# Altium PCB PCB_3U_BNC.PCBDOC (part 1 of 2) (continued)
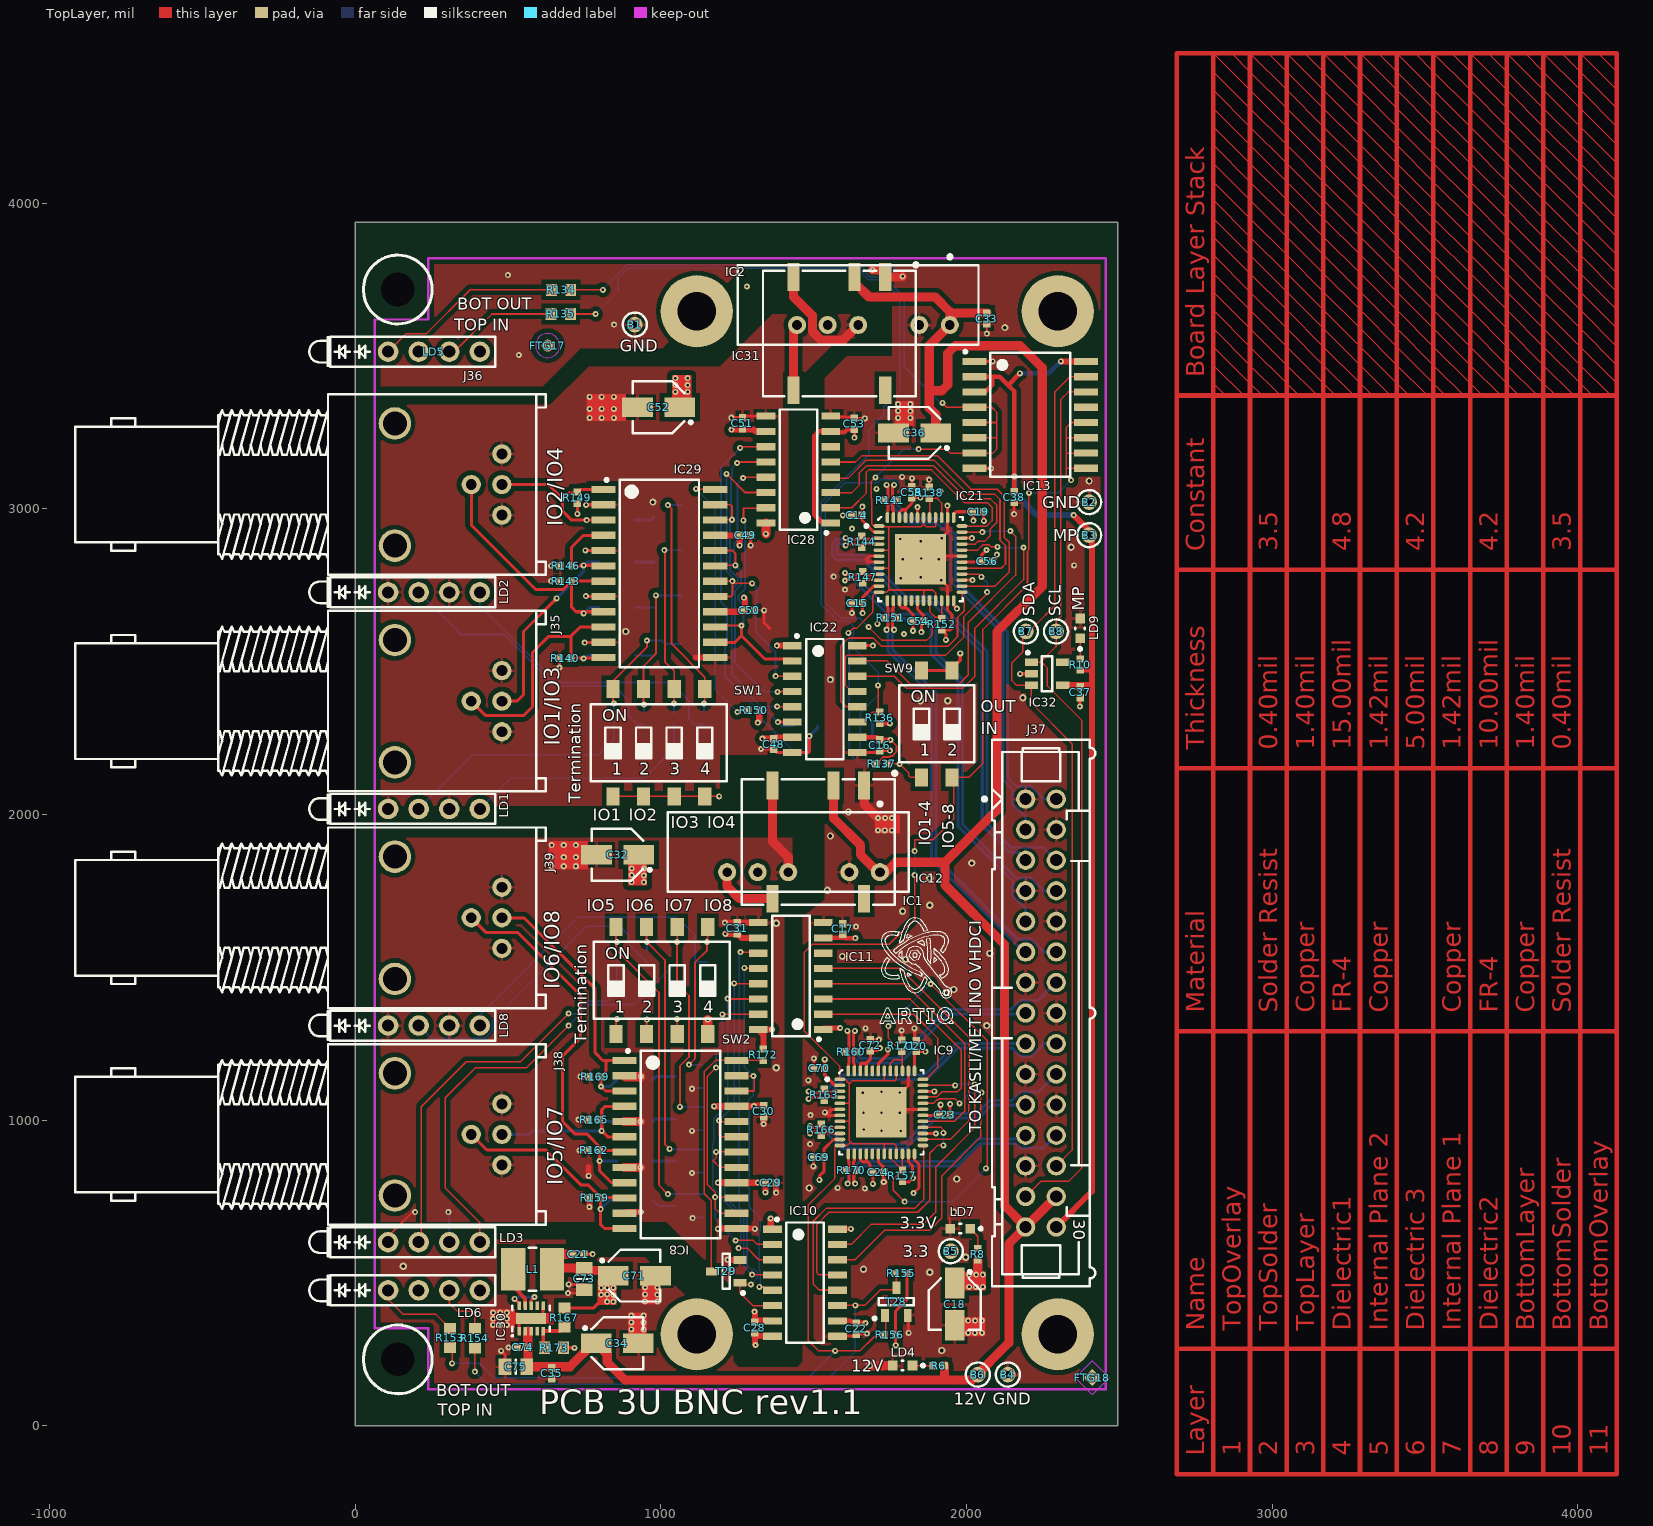
[diagram p0: TopLayer view]
## Components (designator, comment, footprint, x,y, rotation, side; value= is the part's Value field where it differs from the comment) (continued)
R151 "100" RESC1005X40N 1752,2643 r0 top
R152 "10k" RESC1005X40N 1920,2622 r270 top
R153 "220" RESC1608X55N 311,287 r270 top
R154 "220" RESC1608X55N 392,286 r270 top
R155 "10k" RESC1005X40N 1787,498 r0 top
R156 "10k" RESC1005X40N 1749,298 r0 top
R157 "100" RESC1005X40N 1791,818 r270 top
R158 "49R9" RESC3225X70N 915.35,738.19 r180 bottom
R159 "10k" RESC1005X40N 785,746 r0 top
R160 "100" RESC1005X40N 1623,1223 r180 top
R161 "49R9" RESC3225X70N 915.35,866.14 r180 bottom
R162 "10k" RESC1005X40N 782,901 r0 top
R163 "100" RESC1005X40N 1535,1083 r270 top
R164 "49R9" RESC3225X70N 915.35,995 r180 bottom
R165 "10k" RESC1005X40N 782,1001 r0 top
R166 "100" RESC1005X40N 1526,968 r270 top
R167 "270k" RESC1608X55N 685,354 r90 top
R168 "49R9" RESC3225X70N 915.35,1131.89 r180 bottom
R169 "10k" RESC1005X40N 786.22,1141.73 r0 top
R170 "100" RESC1005X40N 1624,835 r0 top
R171 "10k" RESC1005X40N 1788,1243 r90 top
R172 "10k" RESC1005X40N 1336,1214 r90 top
R173 "82k" RESC1608X55N 651,255 r180 top
SW1 "Switch" SW_OMRON_A6S-4102-H 994.09,2234.25 r90 top
SW2 "Switch" SW_OMRON_A6S-4102-H 1003.94,1456.69 r90 top
SW9 "Switch" SW_OMRON_A6S-2102-H 1903,2296 r90 top
T1 "BSS138LT1G" SOT95P240X110-3N 1023.62,2519.68 r180 bottom
T2 "BSS138LT1G" SOT95P240X110-3N 1023.62,2677.17 r180 bottom
T3 "BSS138LT1G" SOT95P240X110-3N 1023.62,2824.8 r180 bottom
T4 "BSS138LT1G" SOT95P240X110-3N 1023.62,2972.44 r180 bottom
T5 "BSS138LT1G" SOT95P240X110-3N 1092.52,718.5 r180 bottom
T6 "BSS138LT1G" SOT95P240X110-3N 1092.52,866.14 r180 bottom
T7 "BSS138LT1G" SOT95P240X110-3N 1092.52,1003.94 r180 bottom
T8 "BSS138LT1G" SOT95P240X110-3N 1092.52,1141.73 r180 bottom
T26 "BSS138LT1G" SOT95P240X110-3N 1653.54,2252 r270 bottom
T27 "BSS138LT1G" SOT95P240X110-3N 1475.98,2244.09 r270 bottom
T28 "BSS138LT1G" SOT95P240X110-3N 1771,406 r90 top
T29 "BSS138LT1G" SOT95P240X110-3N 1214,505 r180 top

## Footprints (in the part's own frame and the unit in brackets; to place one, negate y for a bottom-side part, rotate by r counter-clockwise, add the part's x,y. Pads: shape width x height; smd on the part's side, far side on the other; paste and mask are expansions set on the pad)
3M_N2530-6002RB [mm] "30 Contacts - Straight .100\" x .100\" Low Profile Four-Wall Header"
  round 1.6 hole 1: 1(-17.78,-1.27) 2(-17.78,1.27) 3(-15.24,-1.27) 4(-15.24,1.27) 5(-12.7,-1.27) 6(-12.7,1.27) 7(-10.16,-1.27) 8(-10.16,1.27) 9(-7.62,-1.27) 10(-7.62,1.27) 11(-5.08,-1.27) 12(-5.08,1.27) 13(-2.54,-1.27) 14(-2.54,1.27) 15(0,-1.27) 16(0,1.27) 17(2.54,-1.27) 18(2.54,1.27) 19(5.08,-1.27) 20(5.08,1.27) 21(7.62,-1.27) 22(7.62,1.27) 23(10.16,-1.27) 24(10.16,1.27) 25(12.7,-1.27) 26(12.7,1.27) 27(15.24,-1.27) 28(15.24,1.27) 29(17.78,-1.27) 30(17.78,1.27)
  silkscreen extent -22.71,-4.85 22.71,4.52, body extent -22.71,-4.11 22.71,4.52, height 9.91
BOMAR_364A2595 [mm] "Dual Right Angle 50 Ohm BNC Jack, White Valox Case"
  round 1.6 hole 0.9: 1(-6.2,2.54) 2(-6.2,0) 3(-6.2,-2.54) 4(-3.66,0)
  round 2.7 hole 2: 6(2.69,-5.08) 7(2.69,5.08)
  silkscreen extent -9.85,-7.5 29.25,7.5, body extent -9.85,-7.5 29.25,7.5, height 29.3
c130h60 [mm] "Plated Through Hole: Hole Dia.=0.6mm Pad Dia.=1.30mm"
  round 1.3 hole 0.6: 1(0,0)
  silkscreen extent -1,-1 1,1
CAPAE430X540N [mm] "Capacitor, Aluminium Electrolytric, 4.3mm L X 4.3mm W X 5.4mm H, IPC Medium Density"
  rect 2.55x1.6 smd: 1(-1.75,0) 2(1.75,0)
  silkscreen extent -2.8,-2.15 2.15,2.15, body extent -2.75,-2.25 2.75,2.25, height 5.7
CAPC1005X55N [mm] "Chip Capacitor, Body 1.0x0.55mm, IPC Medium Density"
  rect 0.62x0.62 smd: 1(-0.45,0) 2(0.45,0)
  body extent -0.52,-0.27 0.53,0.28, height 0.55
CAPC2012X135N [mm] "Chip Capacitor, Body 2.0x1.25mm, IPC Medium Density"
  rect 1.05x1.4 smd: 1(-0.9,0) 2(0.9,0)
  silkscreen extent 0,-0.58 0,0.58, body extent -1.05,-0.67 1.05,0.68, height 1.25
DCDC_MURATA_NXE2 [mm] "NXE2 Series, Body 12.7 x 10.4, Height 4.4mm"
  rect 1x2.3 smd: 1(-3.81,-4.7) 3(-1.27,-4.7) 7(3.81,-4.7) 8(3.81,4.7) 14(-3.81,4.7)
  silkscreen extent -6.5,-5.86 6.35,5.21, body extent -6.35,-5.21 6.35,5.21, height 4.41
DCDC_TRACO_TMA [mm] "TMA Series , Body 19.5x6.1mm, SIP-6, Unregulated"
  round 1.5 hole 0.8: 1(-7.62,0) 2(-5.08,0) 4(0,0) 5(2.54,0) 6(5.08,0)
  silkscreen extent -10,-5.82 10,1.63, body extent -10,-4.97 10,1.73, height 10.45
FIDUCIAL_TOP_C100-200 [mm] "Round Fiducial Target, Top Layer, 1.0mm, Top Solder 2.0mm, Keepout =2.0mm"
  round 1 smd paste-0.51 mask+0.5: FTG2(0,0)
  TopLayer keep-out circle w0.1: c0,0 r1
FIDUCIAL_TOP_S100-200 [mm] "Square Fiducial Target, Top Layer, 1.0mm, Top Solder 2.0mm, Keepout =2.0mm"
  rect 1x1 smd rot 45 paste-0.51 mask+0.5: 1(0,0)
  TopLayer keep-out region: 1.414,0 0,-1.414 -1.414,0 0,1.414
FIDUCIAL_TOP_S200-400 [mm] "Square Fiducial Target, Top Layer, 2.0mm, Top Solder 4.0mm, Keepout =4.0mm"
  rect 2x2 smd rot 45 paste-0.9 mask+1: 1(0,0)
  TopLayer keep-out region: -2.839,0.011 -0.011,2.839 2.818,0.011 -0.011,-2.818
IND_MURATA-PS_8400 [mm] "Miniature Surface Mount Power Inductors, 4.5mm L X 3.3mm W X 2.9mm H, MURATA 8400 Serie"
  rect 2x3.5 smd: 1(-1.6,0) 2(1.6,0)
  silkscreen extent -0.3,-1.8 0.3,1.8, body extent -2.4,-1.8 2.4,1.8, height 2.9
LED_DIALIGHT_571-0112F [mm] "2x 2mm LED (Top: Red, Bot: Green) PCB Edge Mounting (Without positioning pins) DIALIGHT 571 Serie"
  round 1.7 hole 1: 1(0,0) 2(2.54,0) 3(5.08,0) 4(7.62,0)
  silkscreen extent -6.55,-1.24 8.89,1.24, body extent -6.55,-1.24 8.89,1.24, height 8.61
LED_DIALIGHT_571-0122F [mm] "2x 2mm LED (Top: Green, Bot: Green) PCB Edge Mounting (Without positioning pins) DIALIGHT 571 Serie"
  round 1.7 hole 1: 1(0,0) 2(2.54,0) 3(5.08,0) 4(7.62,0)
  silkscreen extent -6.55,-1.24 8.89,1.24, body extent -6.55,-1.24 8.89,1.24, height 8.61
LED_KINGBRIGHT_KPH-1608CGCK [mm] "SMT Green LED, Case 0603, Body L 1.6 x W 0.8mm H 0.65mm"
  rect 0.8x0.8 smd: 1(0.825,0) 2(-0.825,0)
  silkscreen extent -1.83,-0.4 0.08,0.4, body extent -0.8,-0.4 0.8,0.4, height 0.65
QFN50P700X700X100-49N-S420 [mm] "QFN, 0.50mm Pitch, Square; 48 Pin, 7.00mm L X 7.00mm W X 1mm H body (W/Thermal Tab 4.2mm X 4.2mm), IPC Medium Density"
  oval 0.9x0.3 smd: 1(-3.45,2.75) 2(-3.45,2.25) 3(-3.45,1.75) 4(-3.45,1.25) 5(-3.45,0.75) 6(-3.45,0.25) 7(-3.45,-0.25) 8(-3.45,-0.75) 9(-3.45,-1.25) 10(-3.45,-1.75) 11(-3.45,-2.25) 12(-3.45,-2.75) 25(3.45,-2.75) 26(3.45,-2.25) 27(3.45,-1.75) 28(3.45,-1.25) 29(3.45,-0.75) 30(3.45,-0.25) 31(3.45,0.25) 32(3.45,0.75) 33(3.45,1.25) 34(3.45,1.75) 35(3.45,2.25) 36(3.45,2.75)
  oval 0.3x0.9 smd: 13(-2.75,-3.45) 14(-2.25,-3.45) 15(-1.75,-3.45) 16(-1.25,-3.45) 17(-0.75,-3.45) 18(-0.25,-3.45) 19(0.25,-3.45) 20(0.75,-3.45) 21(1.25,-3.45) 22(1.75,-3.45) 23(2.25,-3.45) 24(2.75,-3.45) 37(2.75,3.45) 38(2.25,3.45) 39(1.75,3.45) 40(1.25,3.45) 41(0.75,3.45) 42(0.25,3.45) 43(-0.25,3.45) 44(-0.75,3.45) 45(-1.25,3.45) 46(-1.75,3.45) 47(-2.25,3.45) 48(-2.75,3.45)
  rect 4.2x4.2 smd: 49(0,0)
  silkscreen extent -4.62,-3.5 3.5,3.5, body extent -3.5,-3.5 3.5,3.5, height 1
RESC1005X40N [mm] "Chip Resistor, EIA 0402, Metric 1005, Body 1.0x0.5mm, IPC Medium Density"
  rect 0.58x0.62 smd: 1(-0.47,0) 2(0.47,0)
  body extent -0.52,-0.27 0.53,0.28, height 0.4
RESC1608X55N [mm] "Chip Resistor, EIA 0603, Metric 1608, Body 1.6x0.8mm, IPC Medium Density"
  rect 0.9x1 smd: 1(-0.8,0) 2(0.8,0)
  body extent -0.87,-0.47 0.88,0.48, height 0.55
RESC3225X70N [mm] "Chip Resistor, EIA 1210, Metric 3225, Body 3.2x2.5mm, IPC Medium Density"
  rect 1.15x2.7 smd: 1(-1.5,0) 2(1.5,0)
  silkscreen extent -0.55,-1.25 0.55,1.25, body extent -1.7,-1.35 1.7,1.35, height 0.7
SOIC127P600X175-16N [mm] "SOIC 16, Pitch 1.27mm - Body 4x10mm, IPC Medium Density"
  rect 1.55x0.6 smd: 1(-2.7,4.445) 2(-2.7,3.175) 3(-2.7,1.905) 4(-2.7,0.635) 5(-2.7,-0.635) 6(-2.7,-1.905) 7(-2.7,-3.175) 8(-2.7,-4.445) 9(2.7,-4.445) 10(2.7,-3.175) 11(2.7,-1.905) 12(2.7,-0.635) 13(2.7,0.635) 14(2.7,1.905) 15(2.7,3.175) 16(2.7,4.445)
  silkscreen extent -2.45,-5 1.55,5.37, body extent -3.1,-5 3.1,5, height 1.75
SOIC127P1030X265-16N [mm] "SOIC 16, Pitch 1.27mm - Body 7.5x10.3mm, IPC Medium Density"
  rect 2x0.6 smd: 1(-4.65,4.445) 2(-4.65,3.175) 3(-4.65,1.905) 4(-4.65,0.635) 5(-4.65,-0.635) 6(-4.65,-1.905) 7(-4.65,-3.175) 8(-4.65,-4.445) 9(4.65,-4.445) 10(4.65,-3.175) 11(4.65,-1.905) 12(4.65,-0.635) 13(4.65,0.635) 14(4.65,1.905) 15(4.65,3.175) 16(4.65,4.445)
  silkscreen extent -5.52,-5.15 3.32,5.37, body extent -5.18,-5.25 5.18,5.25, height 1.68
SOIC127P1030X265-24N [mm] "SOIC 24, Pitch 1.27mm - Body 7.6x15.6mm, IPC Medium Density"
  rect 2x0.6 smd: 1(-4.65,6.985) 2(-4.65,5.715) 3(-4.65,4.445) 4(-4.65,3.175) 5(-4.65,1.905) 6(-4.65,0.635) 7(-4.65,-0.635) 8(-4.65,-1.905) 9(-4.65,-3.175) 10(-4.65,-4.445) 11(-4.65,-5.715) 12(-4.65,-6.985) 13(4.65,-6.985) 14(4.65,-5.715) 15(4.65,-4.445) 16(4.65,-3.175) 17(4.65,-1.905) 18(4.65,-0.635) 19(4.65,0.635) 20(4.65,1.905) 21(4.65,3.175) 22(4.65,4.445) 23(4.65,5.715) 24(4.65,6.985)
  silkscreen extent -4.5,-7.8 3.3,7.9, body extent -5.18,-7.8 5.18,7.8, height 1.68
SON50P200X300X80-11N-R94X250 [mm] "SON, 10-Leads, Body 2x3mm, Pitch 0.5mm, Thermal Pad 0.94x2.5mm, IPC Medium Density"
  rect 0.7x0.3 smd: 1(-1.05,1) 2(-1.05,0.5) 3(-1.05,0) 4(-1.05,-0.5) 5(-1.05,-1) 6(1.05,-1) 7(1.05,-0.5) 8(1.05,0) 9(1.05,0.5) 10(1.05,1)
  rect 0.94x2.5 smd: 11(0,0)
  silkscreen extent -1.5,-1.55 1.05,1.6, body extent -1.05,-1.55 1.05,1.55, height 0.8
SOT95P240X110-3N [mm] "SOT23 3-Leads, Pitch 0.95mm, Body 1.3x2.9mm, IPC Medium Density"
  rect 1.05x0.65 smd: 1(-1.15,0.95) 2(-1.15,-0.95) 3(1.15,0)
  silkscreen extent -1.53,-1.45 0.3,1.92, body extent -1.25,-1.5 1.25,1.5, height 1.1
SOT95P280X145-5N [mm] "SOT, 0.95mm pitch; 5 pin, 1.60mm W X 2.90mm L X 1.45mm H body, IPC Medium Density"
  rect 1.1x0.6 smd: 1(-1.3,0.95) 2(-1.3,0) 3(-1.3,-0.95) 4(1.3,-0.95) 5(1.3,0.95)
  silkscreen extent -1.72,-1.45 0.43,1.87, body extent -1.4,-1.5 1.4,1.5, height 1.45
SW_OMRON_A6S-2102-H [mm] "Pitch 2.54mm, Body 6.2x6.4mm, 2 Ways SPST Surface-Mounting DIP Switch, OMRON A6S-H"
  rect 1.5x1.1 smd: 1(-4.45,1.27) 2(-4.45,-1.27) 3(4.45,-1.27) 4(4.45,1.27)
  silkscreen extent -3.2,-3.11 3.2,3.11, body extent -4.9,-3.01 4.9,3.01, height 3.97
SW_OMRON_A6S-4102-H [mm] "Pitch 2.54mm, Body 11.3x6.4mm, 4 Ways SPST Surface-Mounting DIP Switch, OMRON A6S-H"
  rect 1.5x1.1 smd: 1(-4.45,3.81) 2(-4.45,1.27) 3(-4.45,-1.27) 4(-4.45,-3.81) 5(4.45,-3.81) 6(4.45,-1.27) 7(4.45,1.27) 8(4.45,3.81)
  silkscreen extent -3.2,-5.65 3.2,5.65, body extent -4.9,-5.55 4.9,5.55, height 3.97

## Part data
B1 B2 B3 B4 B5 B6 B7 B8: library part PLATED_HOLE0.6_PAD1.3, "Single Terminal Socket"
C14 C15 C16 C17 C19 C20 C21 C22 C23 C24 C28 C29 C30 C31 C33 C35 C37 C38 C48 C49 C50 C51 C53 C54 C55 C56 C69 C70 C72 C74: library part CC0402_100NF_16V_10%_X5R, "Non-polarised capacitor"
C18 C32 C34 C36 C52 C71: library part CAE430-540_10UF_16V_20%, "Polarised capacitor"
C73 C75: library part CC0805_22UF_16V_10%_X5R, "Non-polarised capacitor"
FTG17: library part FIDUCIAL_TARGET_C100-200, "Fiducial Target"
FTG18 FTG20: library part FIDUCIAL_TARGET_S100-200, "Fiducial Target"
FTG19: library part FIDUCIAL_TARGET_S200-400, "Fiducial Target"
IC1 IC2: "MURATA, NXE2 Serie, Dual Output DCDC Converter"
IC8 IC29: "25 Ohms Octal Bus Transceiver With 3-State Outputs"
IC9 IC21: "4-Channel Half-Duplex M-LVDS Line Transceiver"
IC10 IC11 IC22 IC28: "Low Power Five-Channel Digital Isolator"
IC12 IC31: "1 W Watt, 10.8-13.2VDCVin, 5 V@0.2 A"
IC13: "Remote 8-bit I/O Expander For I2C Bus"
IC30: "4.75-28VDC to 1-6VDC, 500mA Step-Down Converter With Sleep Mode"
IC32: "1.7V-5.5V, 2K I2C Serial EEPROM With EUI-48 Node Identity"
J35 J36 J38 J39: library part BOMAR_364A2595, "Dual Right Angle 50 Ohm BNC Jack, White Valox Case"
J37: library part 3M_N2530-6002RB, "Connector 30 Male"
L1: library part IND_10UH_10%_MURATA-PS_8400, "Inductor With Core"
LD1 LD2 LD3 LD8: library part LED_DIALIGHT_571-0122F, "LED x2 Green 1C2A-BOT_3C4A-TOP"
LD4 LD7 LD9: library part LED_KINGBRIGHT_KPH-1608CGCK, "LED Green 1C 2A"
LD5 LD6: library part LED_DIALIGHT_571-0112F, "2x LED  Botom Green, Top Red"
R1 R2 R3 R4 R5 R7 R8 R9 R10 R11: library part R0402_510R_1%_0.0625W_100PPM, "Resistor - 1%"
R6 R136 R137 R140 R143 R146 R149 R150 R152 R155 R156 R159 R162 R165 R169 R171 R172: library part R0402_10K_1%_0.0625W_100PPM, "Resistor - 1%"
R134 R135 R153 R154: library part R0603_220R_1%_0.1W_100PPM, "Resistor - 1%"
R138 R141 R144 R147 R151 R157 R160 R163 R166 R170: library part R0402_100R_1%_0.1W_100PPM, "Resistor - 1%"
R139 R142 R145 R148 R158 R161 R164 R168: library part R1210_49R9_1%_0.5W_100PPM_VISHAY_CRCW, "Resistor - 1%"
R167: library part R0603_270K_1%_0.1W_100PPM, "Resistor - 1%"
R173: library part R0603_82K_1%_0.1W_100PPM, "Resistor - 1%"
SW1 SW2: library part SW_OMRON_A6S-4102-H, "4 Ways SPST DIP Switch"
SW9: library part SW_OMRON_A6S-2102-H, "2 Ways SPST DIP Switch"
T1 T2 T3 T4 T5 T6 T7 T8 T26 T27 T28 T29: "N-CHANNEL MOSFET WITH DIODE"

## Free pads (board coordinates)
  round 236.22 hole 125.98: 0(2299.21,299.21) 1(2299.21,3645.67) 2(1118.11,3645.67) 3(1118.11,299.21)
  round 50 hole 110: 1(140,3717) 2(140,217)

## Via types
v1: diameter 19.68, hole 7.87, TopLayer to BottomLayer, tented both sides, 294 vias
v2: diameter 19.68, hole 7.87, TopLayer to BottomLayer, 62 vias
v3: diameter 23.62, hole 11.81, TopLayer to BottomLayer, 17 vias
v4: diameter 23.62, hole 11.81, TopLayer to BottomLayer, tented both sides, 15 vias

## Nets (pads, with @x,y where several pads share a name; then routed paths per layer and width w, separated by ;. In a path a pad name is that pad's centre, name@x,y a point inside that pad or via, vN(x,y) a via of type N, cw(c..) or ccw(c..) an arc to the next point about the centre after c; other vN are vias at no path point)
DIR1_RD: IC28.6
DIR2_RD: IC11.6
DIR_CTRL1: IC13.4 IC13.5 IC13.6 IC13.7 IC21.1 IC21.5 IC21.8 IC21.12 IC21.19 IC21.21 IC21.40 IC21.42 R134.2 R137.1 SW9.1 T26.1 | length 4340.1
  TopLayer w5: R134.2@705.5,3716 v2(811,3716) ; v2(1614.17,2594) 1628.44,2608.27 1640.27,2608.27 1693,2661 1693,2714 1705.73,2726.73 IC21.12@1714.17,2726.73 1738.73,2726.73 1746,2734 ; v2(1702.76,3102.76) 1688.66,3088.66 1688.66,3033.34 1690,3032 1690,2951 1695,2946 1711.44,2946 IC21.1@1714.17,2943.27 1716.44,2941 1749,2941 ; IC21.8@1714.17,2805.47 1745.47,2805.47 1746,2806 ; IC21.5@1714.17,2864.53 1744.47,2864.53 1746,2863 ; R137.1@1740.94,2165.35 v2(1781.5,2165.35) 1811.02,2135.83 1811.02,2126.58 1816.8,2120.8 SW9.1@1853,2120.8 ; v1(1844,3195) 1934,3195 1947,3182 IC13.7@2025.93,3182 2087,3182 2100,3195 2100,3231 ; IC21.19@1859.84,2699.17 1859.84,2732.16 1858,2734 ; IC21.42@1859.84,2970.83 1859.84,2948.84 ; IC21.40@1897,2968.61 IC21.40@1899.21,2970.83 1899.21,2943.21 1897,2941 1867.69,2941 1859.84,2948.84 ; IC21.21@1899.21,2699.17 1899.21,2724.79 1890,2734 1858,2734 ; v2(1922,3346) 1936,3332 IC13.4@2025.93,3332 2083,3332 2100,3315 2100,3283 ; IC13.6@2025.93,3232 2099,3232 2100,3231 ; IC13.5@2025.93,3282 2099,3282 2100,3283 ; 1746,2734 1858,2734 ; 1746,2734 1746,2806 ; 1746,2806 1746,2863 ; 1746,2863 1746,2938 1749,2941 ; 1749,2941 1852,2941 1859.84,2948.84 ; 2100,3231 2100,3283
  BottomLayer w5: v2(811,3716) 811,3718.84 890.78,3798.62 1644.35,3798.62 1645.26,3799.53 1653.54,3799.53 1659.4,3793.67 1659.4,3790.27 1670.41,3779.25 1670.41,3771.96 1683.59,3758.78 1730.17,3758.78 1797.06,3691.89 1797.06,3464.39 1915.45,3346 v2(1922,3346) ; v2(1614.17,2594) 1616.14,2592.03 T26.1@1616.14,2297.28 1616.14,2200.05 1637.64,2178.56 1640.34,2178.56 1653.54,2165.35 v2(1781.5,2165.35) ; v2(1702.76,3102.76) 1795,3195 v1(1844,3195)
DIR_CTRL2: IC9.1 IC9.5 IC9.8 IC9.12 IC9.19 IC9.21 IC9.40 IC9.42 IC13.9 IC13.10 IC13.11 IC13.12 R153.2 R156.1 SW9.2 T28.1 | length 6246.7
  TopLayer w5: v1(318,204) 318,254 R153.2@319,255 ; IC9.8@1586.17,995.47 1616.53,995.47 1617,995 ; IC9.5@1586.17,1054.53 1615.47,1054.53 1617,1053 ; IC9.19@1731.84,889.17 1731.84,921.84 1732,922 ; IC9.42@1731.84,1160.83 1731.84,1129.84 1730,1128 ; T28.1@1736.6,353.72 1736.6,305.1 1724.5,293 1700,293 1652,245 v1(1571,245) 1516,245 1483,278 1483,722 1570,809 1570,910 1576.73,916.73 IC9.12@1586.17,916.73 1610.73,916.73 1622,928 ; IC9.21@1771.21,889.17 1771.21,914.79 1764,922 1732,922 ; IC9.40@1771.21,1160.83 1771.21,1133.21 1766,1128 1730,1128 ; v2(1830.71,1801.18) 1830.71,1657.57 1747.94,1574.8 1496.87,1574.8 1470,1547.94 1470,1291 1586.17,1174.83 IC9.1@1586.17,1133.27 1602.73,1133.27 1617,1119 ; v2(1830.71,1879.92) 1830.71,1917 1891,1917 1959,1985 SW9.2@1959,2120.8 ; SW9.2@1953,2120.8 SW9.2@1959,2120.8 ; v1(2205,3052) 2204.34,3051.34 2204.34,2865.82 2200,2861.47 2200,2751 2054,2605 2054,2167 2007.8,2120.8 SW9.2@1959,2120.8 ; v1(2342.52,3093.48) 2327,3109 2327,3134 ; IC13.9@2392.07,3132 2329,3132 2327,3134 ; IC13.10@2392.07,3182 2328,3182 2327,3183 ; IC13.11@2392.07,3232 2330,3232 2327,3229 ; IC13.12@2392.07,3282 2343,3282 2327,3266 2327,3229 ; 1617,995 1617,933 1622,928 ; 1617,995 1617,1053 ; 1617,1053 1617,1119 ; 1617,1119 1626,1128 1730,1128 ; 1622,928 1628,922 1732,922 ; 2327,3134 2327,3183 ; 2327,3183 2327,3229
  BottomLayer w5: v1(318,204) 408,204 455,157 1483,157 v1(1571,245) ; v2(1830.71,1801.18) v2(1830.71,1879.92) ; v1(2205,3052) 2301.04,3052 v1(2342.52,3093.48)
GND: B1.1 B2.1 B4.1 C14.1 C15.1 C16.1 C17.1 C18.2 C19.1 C20.1 C21.1 C22.1 C23.1 C24.1 C33.1 C34.2 C35.1 C36.2 C37.1 C38.1 C53.1 C54.1 C55.1 C56.1 C69.1 C70.1 C71.2 C72.1 C73.1 C74.1 C75.1 IC1.1 IC2.1 IC9.6 IC9.7 IC9.18 IC9.23 IC9.27 IC9.31 IC9.34 IC9.38 IC9.43 IC9.49 IC10.9 IC11.8 IC12.2 IC13.1 IC13.8 IC21.6 IC21.7 IC21.18 IC21.23 IC21.27 IC21.31 IC21.34 IC21.38 IC21.43 IC21.49 IC22.9 IC28.8 IC30.1 IC30.6 IC30.11 IC31.2 IC32.2 J37.1 J37.4 J37.7 J37.10 J37.13 J37.16 J37.19 J37.22 J37.25 LD4.1 LD7.1 LD9.1 R138.2 R152.2 R157.2 R171.2 R173.1 SW9.3 SW9.4 T26.2 T28.2 | length 3846.4
  TopLayer w6: LD7.1@1945.87,639.76 1945.87,686.02 v4(1958.66,698.82) ; v2(2066.93,3572.83) C33.1@2066.93,3604.33
  TopLayer w10: v1(478,245) 490.57,232.43 C75.1@490.57,193 ; v1(502,256) C74.1@530.28,256 ; IC30.1@536.63,309.66 536.63,343.63 IC30.11@538,345 ; IC30.6@615.37,392.34 615.37,357.63 IC30.11@617,356 ; R173.1@682.5,255 v1(718,255) ; v1(696.69,434) C73.1@749.25,434 ; v1(698.82,462.6) 748.65,462.6 C73.1@749.69,461.57 ; C21.1@748.03,561.02 781.31,561.02 v1(777.56,561.02) ; v1(1499.28,848.28) C69.1@1499.28,878 ; C70.1@1501.28,1169 v1(1501.28,1201.28) ; 1547.16,1015.16 IC9.7@1586.17,1015.16 ; 1550,1025 1559.84,1034.84 IC9.6@1586.17,1034.84 ; IC28.8@1553.16,3299.56 1629.57,3299.56 C53.1@1633.86,3295.28 v1(1667.57,3295.28) ; IC10.9@1560.3,294 1633.72,294 C22.1@1639,299.28 1640.72,301 v1(1675,301) ; v1(1596,2978) C14.1@1624.28,2978 ; v1(1625.28,2658.72) C15.1@1625.28,2691 ; v1@1636.72,1630.72 v1(1639,1633) ; IC22.9@1643.3,2202 1709.72,2202 C16.1@1716,2208.28 v1(1749.72,2208.28) ; C72.1@1686,1262.72 v1(1714.28,1262.72) ; IC9.18@1712.16,889.17 1712.16,862.84 1729.72,845.28 C24.1@1729.72,829 v1(1729.72,797.28) ; IC9.43@1712.16,1160.83 1712.16,1184.16 1743,1215 v1(1743,1231) ; IC21.7@1714.17,2825.16 1680.84,2825.16 1672,2834 1682.84,2844.84 IC21.6@1714.17,2844.84 ; IC9.49@1722,1025 IC9.49@1731.84,1034.84 ; R157.2@1788,797 1812,797 v1(1825,810) 1824.16,810.84 1824.16,848.84 1810.58,862.42 IC9.23@1810.58,889.17 ; R171.2@1788,1261.5 v1(1788,1293) ; IC9.38@1810.58,1160.83 1810.58,1113.58 IC9.49@1731.84,1034.84 ; v1(1811.4,303.6) T28.2@1811.4,353.72 ; C55.1@1822,3071.72 v1(1822,3099) ; v1(1830,1300) 1830,1265.72 C20.1@1836,1259.72 ; IC21.18@1840.16,2699.17 1840.16,2670.84 1860.72,2650.28 C54.1@1860.72,2632 1853,2624.28 v1(1853,2596) ; IC21.43@1840.16,2970.83 v1(1840.16,3005.16) ; IC31.2@1843.28,3598.28 IC31.2@1846,3601 ; SW9.4@1853,2471.2 SW9.3@1953,2471.2 ; IC9.27@1857.83,956.1 v1(1899.9,956.1) ; IC9.31@1857.83,1034.84 IC9.49@1731.84,1034.84 ; IC9.34@1857.83,1093.9 v1(1895.1,1093.9) ; R138.2@1878,3070.5 v1(1878,3095) ; v1(1933,2571) 1933,2590.5 R152.2@1920,2603.5 1947.5,2603.5 1953,2609 1953,2654 1938.58,2668.42 IC21.23@1938.58,2699.17 1938.58,2746.42 IC21.49@1850,2835 v1(1852,2837) IC21.49@1859.84,2844.84 ; v1(1938,3010) 1938,2971.41 IC21.38@1938.58,2970.83 1938.58,2931.77 1942.68,2927.68 IC21.49@1859.84,2844.84 ; C23.1@1946.72,1017 v1(1946.72,1052.28) ; SW9.3@1967,2491 1980,2504 v1(1980,2527) ; IC21.27@1985.83,2766.1 v1(2020.1,2766.1) ; IC21.31@1985.83,2844.84 IC21.49@1859.84,2844.84 ; IC21.34@1985.83,2903.9 v1(2017.9,2903.9) ; IC13.8@2025.93,3132 v1(2081,3132) ; IC13.1@2025.93,3482 v1(2086,3482) ; C19.1@2056.72,2990 2056.72,2960.28 v1(2057,2960) ; C56.1@2085.72,2828 2085.72,2830.72 2100,2845 v1(2100,2850) ; v1(2156,2982) C38.1@2156,3020.28 ; v1(2176,2460) IC32.2@2212.82,2460 ; v1(2371,2353) C37.1@2371,2389.82
  TopLayer w30: IC1.1@1665.75,2094.49 1665.75,2033.25 v1(1711,1988) ; v4(1683.07,196.85) LD4.1@1758.86,196.85 ; v2(1692.91,3781.28) 1720.69,3781.28 1734.65,3767.32 IC2.1@1734.65,3757.87 1789.37,3757.87 v2(1791.34,3759.84)
  BottomLayer w10: T26.2@1690.94,2297.28 1692.91,2295.31 1692.91,2217.59 1702.22,2208.28 v1(1749.72,2208.28)
  BottomLayer w30: v2(1692.91,3781.28) 1752.89,3781.28 1754.65,3779.53
  other v1: 2006,304 2028,304 2051,304 904,315 944,315 452,330 474,330 497,330 944,337 904,338 2006,344 2029,344 2051,344 452,350 475,350 497,350 904,360 944,360 452,370 475,370 497,370 949,407 989,407 989,429 949,430 949,452 989,452 1668,776 1579,778 1489,921 1785,964 1722.44,964.57 1664,969 1490,1016 1663.39,1023.62 1722.44,1023.62 1781.5,1023.62 1537,1025 1661,1089 1782,1090 1722.44,1092.52 1483,1130 1670,1300 1711,1948 1733,1948 1756,1948 1734,1988 1756,1988 1796,2590 1709,2623 1603,2735 1918,2766 1786,2772 1850.39,2775.59 1566,2778 1791.34,2834.65 1909.45,2834.65 1850.39,2893.7 1784,2901 1920,2904 1626,2935 1706,3065 1790,3104 1776.94,3297.11 1816.94,3297.11 1816.94,3319.11 1776.94,3320.11 1776.94,3342.11 1816.94,3342.11 536,3503 848,3602 1282,3727 500,3764
  other v2: 2352.36,2814.96
  other v3: 157.48,521.65 1791.34,1683.07 1879.92,1702.76 2017.72,1840.55 1555.12,1929.13 1614.17,2007.87 1850.39,2372.05 1938.98,2372.05 2185.04,2381.89 1555.12,2440.94 2342.52,2874.02 2401.57,3090.55 2125.98,3592.52
  other v4: 1919.29,246.06 1879.92,501.97 1663.39,511.81 1998.03,551.18 1486.22,777.56 1968.5,807.09 2066.93,1309.06 1958.66,1427.17 1801.18,1525.59 1594.49,1535.43 2076.77,1545.28 1545.28,1751.97 1879.92,1791.34
GND_ISO1: C48.1 C49.1 C50.1 C51.1 C52.2 IC2.7 IC22.8 IC28.9 IC29.2 IC29.5 IC29.8 IC29.11 IC29.13 IC31.4 J35.1 J35.3 J36.1 J36.3 LD1.1 LD1.3 LD2.1 LD2.3 R140.1 R143.1 R146.1 R149.1 T1.2 T2.2 T3.2 T4.2 T27.2 | length 1281.8
  TopLayer w10: v1(641.36,2762.89) R143.1@670.86,2762.89 ; v1(641.86,2812.89) R146.1@671.35,2812.89 ; v1(668.86,2480.39) R140.1@668.86,2510.89 ; v1(727.36,2983.39) R149.1@727.36,3016.89 ; v1(751.36,2561.89) 752.36,2562.89 IC29.11@812.29,2562.89 ; v1(753.36,2863.89) 754.36,2862.89 IC29.5@812.29,2862.89 ; v1(755.36,2713.89) 756.36,2712.89 IC29.8@812.29,2712.89 ; v1(756.36,3012.89) IC29.2@812.29,3012.89 ; v1(1230.86,3297.55) C51.1@1267.57,3297.55 1272.86,3302.83 IC28.9@1344.28,3302.83 ; v1(1294.08,2880.17) C49.1@1294.08,2912.89 ; v1(1328,2214) 1368.28,2214 C48.1@1370,2212.28 1380.28,2202 IC22.8@1430.7,2202 1483.09,2202 1486.22,2205.13 v2(1486.22,2255.91) ; v2(1338.58,2667.32) 1338.58,2625.98 1356.3,2608.27
  TopLayer w20: 1113.36,2512.89 IC29.13@1178.43,2512.89
  TopLayer w30: IC2.7@1434.65,3757.87 1434.65,3693.31 1496.47,3631.48 1496.47,3580.49 1525.48,3551.47 1596.47,3551.47 IC31.4@1646,3601
  BottomLayer w10: v2(1486.22,2255.91) 1513.38,2283.06 T27.2@1513.38,2289.37
  other v1: 767.72,3297.24 807.09,3297.24 846.46,3297.24 767.72,3326.77 807.09,3326.77 846.46,3326.77 767.72,3366.14 807.09,3366.14 846.46,3366.14
  other v3: 885.83,2598.43 974.41,3021.65
GND_ISO2: C28.1 C29.1 C30.1 C31.1 C32.2 IC1.7 IC8.2 IC8.5 IC8.8 IC8.11 IC8.13 IC10.8 IC11.9 IC12.4 J38.1 J38.3 J39.1 J39.3 LD3.1 LD3.3 LD8.1 LD8.3 R159.1 R162.1 R165.1 R169.1 T5.2 T6.2 T7.2 T8.2 T29.2 | length 1456.5
  TopLayer w6: LD3.1@108.27,600.39 108.27,620.08 187.01,698.82 v2(196.85,698.82)
  TopLayer w20: v1(731,1001) R165.1@763.5,1001 ; v1(735,901) R162.1@763.5,901 ; v1(737.22,1141.73) R169.1@767.72,1141.73 ; v1(764.28,817.28) 764.28,846 ; v1(766.5,715.5) R159.1@766.5,746 ; IC8.11@881.93,695 885.75,698.82 v1(935.08,698.82) ; v1(1187,644) 1188,645 IC8.13@1248.07,645 1307,645 v1(1308,644) ; v1(1210,1646) IC11.9@1319.7,1646 ; v1(1219,543) 1219.6,542.4 T29.2@1259.28,542.4 ; C28.1@1308,303.28 C28.1@1308,294 ; v1(1310,264) 1308,266 C28.1@1308,294 ; v1(1337,987) C30.1@1337,1011.28 ; IC10.8@1347.7,294 C28.1@1308,294 ; v1(1377.72,762.28) C29.1@1377.72,795
  TopLayer w30: IC8.8@881.93,845 v2(933.58,845) ; IC8.5@881.93,995 v2(934.13,995) ; IC8.2@885.2,1141.73 v2(935.04,1141.73) ; IC1.7@1365.75,2094.49 1365.75,1911.81 1417.32,1860.24 IC12.4@1417.32,1811.02
  BottomLayer w6: v2(305.12,698.82) 308.27,695.67 LD3.3@308.27,600.39 ; v2(1102.36,826.77) 1104.33,828.74 T6.2@1137.8,828.74 ; v2(1102.36,964.57) 1104.33,966.54 T7.2@1137.8,966.54 ; v2(1102.36,1102.36) 1104.33,1104.33 T8.2@1137.8,1104.33 ; v2(1104.33,679.13) 1106.3,681.1 T5.2@1137.8,681.1
  other v1: 643.46,1830.28 682.83,1830.28 722.2,1830.28 643.46,1859.8 682.83,1859.8 722.2,1859.8 643.46,1899.17 682.83,1899.17 722.2,1899.17
  other v3: 1377.95,1171.26 1377.95,1643.7
I2C_SCL: B8.1 IC13.14 IC32.1 J37.27 | length 2946.1
  TopLayer w5: J37.27@2194,750 2243,799 2334,799 2378,843 2378,2307 2265,2420 2265,2479 2246.6,2497.4 2241.5,2497.4 ; IC32.1@2212.82,2497.4 2241.5,2497.4 ; IC13.14@2392.07,3382 2334,3382 2309,3357 2309,2647.64 2293.31,2631.94 B8.1@2293.31,2598.43 2293.31,2549.21 2241.5,2497.4
I2C_SDA: B7.1 IC13.15 IC32.3 J37.26 | length 2845.3
  TopLayer w5: J37.26@2294,850 2346,902 2346,2230.77 2212.82,2363.95 IC32.3@2212.82,2422.6 2164.4,2422.6 2149,2438 2149,2496 2185,2532 2185,2578.7 2224.41,2618.11 2289,2682.7 2289,3382 2339,3432 IC13.15@2392.07,3432
IO1: IC29.10 IC29.12 J35.4 R139.2 R140.2 | length 879.8
  TopLayer w10: J35.4@380.31,2370.32 427.8,2322.83 551.18,2322.83 580.71,2352.36 580.71,2529.53 633.57,2582.39 705.87,2582.39 ; IC29.12@785.29,2510.89 R140.2@705.87,2510.89 705.87,2582.39 ; IC29.10@812.29,2612.89 736.36,2612.89 705.87,2582.39
  BottomLayer w10: v2(748.03,2509.84) 757.87,2519.68 R139.2@797.24,2519.68
IO2: IC29.7 IC29.9 J36.4 R142.2 R143.2 | length 916
  TopLayer w10: J36.4@380.31,3078.98 380.31,2946.46 590.55,2736.22 681.95,2736.22 707.87,2762.13 R143.2@707.87,2762.89 ; IC29.9@812.29,2662.89 722.94,2662.89 708.66,2677.17 708.66,2762.09 R143.2@707.87,2762.89 ; IC29.7@812.29,2762.89 R143.2@707.87,2762.89
  BottomLayer w10: v2(748.03,2657.48) 767.72,2677.17 R142.2@797.24,2677.17
IO3: IC29.4 IC29.6 J35.2 R145.2 R146.2 | length 924.4
  TopLayer w10: J35.2@480.31,2370.32 529.77,2370.32 551.18,2391.73 551.18,2598.43 v2(659.45,2706.69) ; IC29.6@812.29,2812.89 810.22,2814.96 v2(748.03,2814.96) 745.96,2812.89 R146.2@708.36,2812.89 708.36,2873.72 747.54,2912.89 IC29.4@812.29,2912.89
  BottomLayer w10: v2(659.45,2706.69) 748.03,2795.28 v2(748.03,2814.96) 757.87,2824.8 R145.2@797.24,2824.8
IO4: IC29.1 IC29.3 J36.2 R148.2 R149.2 | length 588.9
  TopLayer w10: J36.2@480.31,3078.98 631.65,3078.98 679.13,3031.5 ; IC29.3@812.29,2962.89 758.17,2962.89 v2(757.87,2962.6) 708.66,2962.6 679.13,2992.13 679.13,3031.5 ; IC29.1@812.29,3062.89 736.35,3062.89 R149.2@727.36,3053.9 724.65,3051.18 698.82,3051.18 679.13,3031.5
  BottomLayer w10: v2(757.87,2962.6) R148.2@797.24,2962.6
IO5: IC8.10 IC8.12 J38.4 R158.2 R159.2 | length 820.9
  TopLayer w10: J38.4@380.31,953 431.31,902 624,902 738,788 762.26,788 803.5,746.76 R159.2@803.5,746 ; IC8.10@877.93,746 R159.2@803.5,746 ; IC8.12@881.93,645 816,645 803.5,657.5 v2(803.5,708.66) R159.2@803.5,746
  BottomLayer w10: v2(803.5,708.66) 833.03,738.19 R158.2@856.3,738.19
IO6: IC8.7 IC8.9 J39.4 R161.2 R162.2 | length 1372.1
  TopLayer w10: J39.4@380.31,1661.66 427.8,1614.17 531.5,1614.17 738.19,1407.48 738.19,1269.69 679.13,1210.63 679.13,994.09 718.5,954.72 757.87,954.72 800.5,912.09 R162.2@800.5,901 ; IC8.9@881.93,795 838.86,795 800.5,833.35 v2(800.5,866.14) R162.2@800.5,901 ; IC8.7@881.93,895 875.93,901 R162.2@800.5,901
  BottomLayer w10: v2(800.5,866.14) R161.2@856.3,866.14
IO7: IC8.4 IC8.6 J38.2 R164.2 R165.2 | length 636.4
  TopLayer w10: IC8.6@881.93,945 826.65,945 v2(807.09,964.57) 807.09,1033.46 818.62,1045 IC8.4@881.93,1045
  BottomLayer w10: J38.2@480.31,953 569.14,953 580.71,964.57 v2(807.09,964.57) 807.09,984.25 817.83,995 R164.2@856.3,995
IO8: IC8.1 IC8.3 J39.2 R168.2 R169.2 | length 954.6
  TopLayer w10: J39.2@480.31,1661.66 552.91,1661.66 785.43,1429.14 785.43,1220.47 810.9,1195 820.98,1195 ; IC8.3@881.93,1095 819.41,1095 v2(804.72,1109.69) R169.2@804.72,1141.73 807.09,1141.73 820.98,1155.63 820.98,1195 ; IC8.1@881.93,1195 820.98,1195
  BottomLayer w10: v2(804.72,1109.69) 834.09,1109.69 R168.2@856.3,1131.89
LVDS1_N: IC21.48 J37.3 R141.2 | length 1491.7
  TopLayer w10: v1(1739.16,3078) 1744,3073.16 1744,3039.5 R141.2@1732.5,3028 1744.07,3016.42 1744.07,2995.89 1741.73,2993.54 IC21.48@1741.73,2970.83
  BottomLayer w10: v1(1739.16,3078) 1741,3078 1744,3075 1744,3020.72 1811.91,2952.81 1904.98,2952.81 1949.89,2907.89 1949.89,2760.11 2119,2591 2119,2114.4 2152.51,2080.89 2152.51,2032.81 2194,1991.32 J37.3@2194,1950
LVDS1_P: IC21.47 J37.2 R141.1 | length 1478.4
  TopLayer w10: IC21.47@1761.42,2970.83 1761.42,2993.54 1759.07,2995.89 1759.07,3017.57 R141.1@1769.5,3028 1759,3038.5 1759,3073.16 v1(1763.84,3078)
  BottomLayer w10: v1(1763.84,3078) 1762,3078 1759,3075 1759,3026.94 1818.13,2967.81 1911.19,2967.81 1964.89,2914.11 1964.89,2766.32 2134,2597.21 2134,2120.61 2163.11,2091.5 2211.19,2091.5 2252.69,2050 J37.2@2294,2050
LVDS2_N: IC21.4 J37.6 R144.2 | length 1650
  TopLayer w10: v1(1605,2880.16) 1605,2885 1646.5,2885 R144.2@1658,2873.5 1663,2878.5 1663,2878.56 1671,2886.56 1689.11,2886.56 1691.46,2884.21 IC21.4@1714.17,2884.21
  BottomLayer w10: v1(1605,2880.16) 1605.92,2881.08 1603.13,2881.08 1599.21,2885 1581,2885 1577,2881 1577,2852.21 1581.21,2848 1667,2848 1802,2713 1888.21,2713 2067,2534.21 2067,1971 2147,1891 2176.32,1891 2176.81,1891.5 2252.51,1891.5 J37.6@2294,1850
LVDS2_P: IC21.3 J37.5 R144.1 | length 1589.7
  TopLayer w10: v1(1605,2904.84) 1605,2902.06 1607.06,2900 1647.5,2900 R144.1@1658,2910.5 1666.95,2901.56 1689.11,2901.56 1691.46,2903.9 IC21.3@1714.17,2903.9
  BottomLayer w10: v1(1605,2904.84) 1605.92,2903.92 1602,2900 1574.79,2900 1562,2887.21 1562,2846 1575,2833 1660.79,2833 1795.79,2698 1882,2698 2052,2528 2052,1964.79 2140.79,1876 2168,1876 J37.5@2194,1850
LVDS3_N: IC21.10 J37.9 R147.2 | length 1571.4
  TopLayer w10: v1(1603,2765.16) 1607.84,2770 1648.5,2770 R147.2@1661,2757.5 1671.95,2768.44 1689.11,2768.44 1691.46,2766.1 IC21.10@1714.17,2766.1
  BottomLayer w10: v1(1603,2765.16) 1603,2768 1605,2770 1626,2770 1755.5,2640.5 1867.5,2640.5 1885,2623 1885,2523.79 1973,2435.79 1973,1960.4 2152.51,1780.89 2152.51,1732.81 2194,1691.32 J37.9@2194,1650
LVDS3_P: IC21.9 J37.8 R147.1 | length 1582.6
  TopLayer w10: v1(1603,2789.84) 1607.84,2785 1651.5,2785 R147.1@1661,2794.5 1672.06,2783.44 1689.11,2783.44 1691.46,2785.79 IC21.9@1714.17,2785.79
  BottomLayer w10: v1(1603,2789.84) 1603,2787 1605,2785 1632.21,2785 1761.71,2655.5 1873.71,2655.5 1900,2629.21 1900,2530 1988,2442 1988,1966.61 2163.11,1791.5 2211.19,1791.5 2252.69,1750 J37.8@2294,1750
LVDS4_N: IC21.14 J37.12 R151.2 | length 1434.9
  TopLayer w10: IC21.14@1761.42,2699.17 1761.42,2676.46 1759.07,2674.11 1759.07,2654.43 R151.2@1770.5,2643 1759,2631.5 1759,2608.84 v1(1763.84,2604)
  BottomLayer w10: v1(1763.84,2604) 1759,2599.16 1759,2539 1901,2397 1901,1858.21 2167.72,1591.5 2211.19,1591.5 2252.69,1550 J37.12@2294,1550
LVDS4_P: IC21.13 J37.11 R151.1 | length 1352.8
  TopLayer w10: v1(1739.16,2604) 1744,2608.84 1744,2632.5 R151.1@1733.5,2643 1744.07,2653.58 1744.07,2674.11 1741.73,2676.46 IC21.13@1741.73,2699.17
  BottomLayer w10: v1(1739.16,2604) 1744,2599.16 1744,2532.79 1886,2390.79 1886,1852 2188,1550 J37.11@2194,1550
LVDS5_N: IC9.48 J37.15 R160.2 | length 879.5
  TopLayer w10: v1(1610.66,1292) 1613.5,1292 1615.5,1290 1615.5,1235 1604.5,1224 1616.07,1212.42 1616.07,1185.89 1613.73,1183.54 IC9.48@1613.73,1160.83
  BottomLayer w10: v1(1610.66,1292) 1615.5,1287.16 1615.5,1220.29 1649.79,1186 1782,1186 1943,1347 2191,1347 J37.15@2194,1350
LVDS5_P: IC9.47 J37.14 R160.1 | length 989.4
  TopLayer w10: IC9.47@1633.42,1160.83 1633.42,1183.54 1631.07,1185.89 1631.07,1213.57 1641.5,1224 1630.5,1235 1630.5,1290 1632.5,1292 v1(1635.34,1292)
  BottomLayer w10: v1(1635.34,1292) 1630.5,1287.16 1630.5,1226.5 1656,1201 1775.79,1201 1936.79,1362 2147.32,1362 2176.81,1391.5 2235.5,1391.5 J37.14@2294,1450
LVDS6_N: IC9.4 J37.18 R163.2 | length 1022.7
  TopLayer w10: v1(1484,1069.16) 1484,1070 1488,1074 1516.5,1074 1518,1075.5 1524,1075.5 R163.2@1535,1064.5 1547.06,1076.56 1561.11,1076.56 1563.46,1074.21 IC9.4@1586.17,1074.21
  BottomLayer w10: v1(1484,1069.16) 1488.84,1074 1539.21,1074 1597.21,1132 1869.21,1132 1972.21,1235 2150.32,1235 2176.81,1208.51 2211.19,1208.51 2252.69,1250 J37.18@2294,1250
LVDS6_P: IC9.3 J37.17 R163.1 | length 893.6
  TopLayer w10: v1(1484,1093.84) 1484,1093 1488,1089 1510.29,1089 1511.79,1090.5 1524,1090.5 R163.1@1535,1101.5 1544.95,1091.56 1561.11,1091.56 1563.46,1093.9 IC9.3@1586.17,1093.9
  BottomLayer w10: v1(1484,1093.84) 1488.84,1089 1533,1089 1591,1147 1863,1147 1966,1250 J37.17@2194,1250
LVDS7_N: IC9.10 J37.21 R166.2 | length 898.3
  TopLayer w10: v1(1489,956.16) 1493.84,961 1514,961 1525.5,949.5 R166.2@1526,949.5 1534.95,958.44 1561.11,958.44 1563.46,956.1 IC9.10@1586.17,956.1
  BottomLayer w10: v1(1489,956.16) 1489,958 1492,961 1539,961 1593,907 1802,907 1902,1007 2040.21,1007 2082.21,1049 2193,1049 J37.21@2194,1050
LVDS7_P: IC9.9 J37.20 R166.1 | length 1034.8
  TopLayer w10: v1(1489,980.84) 1493.84,976 1514,976 1524.5,986.5 1537.56,973.44 1561.11,973.44 1563.46,975.79 IC9.9@1586.17,975.79
  BottomLayer w10: v1(1489,980.84) 1489,979 1492,976 1545.21,976 1599.21,922 1795.79,922 1895.79,1022 2034,1022 2076,1064 2149.32,1064 2176.81,1091.5 2235.5,1091.5 J37.20@2294,1150
LVDS8_N: IC9.14 J37.24 R170.2 | length 871.5
  TopLayer w10: IC9.14@1633.42,889.17 1633.42,866.46 1631.07,864.11 1631.07,846.43 R170.2@1642.5,835 1631.5,824 1631.5,794 1633.5,792 v1(1636.34,792)
  BottomLayer w10: v1(1636.34,792) 1631.5,796.84 1631.5,823.5 1658,850 1971,850 2044,923 2162.32,923 2176.81,908.51 2252.51,908.51 J37.24@2294,950
LVDS8_P: IC9.13 J37.23 R170.1 | length 777.8
  TopLayer w10: v1(1611.66,792) 1614.5,792 1616.5,794 1616.5,824 R170.1@1605.5,835 1616.07,845.58 1616.07,864.11 1613.73,866.46 IC9.13@1613.73,889.17
  BottomLayer w10: v1(1611.66,792) 1616.5,796.84 1616.5,829.71 1651.79,865 1964.79,865 2037.79,938 2182,938 J37.23@2194,950
NetIC8_14: IC8.14 IC8.15 IC10.2 IC11.15 | length 1227.6
  TopLayer w5: v2(1181.1,1171.26) 1152.56,1142.72 1152.56,789.37 1178,763.93 v1(1178,748) ; v1(1202,1346) IC11.15@1319.7,1346 ; v1(1245,606) 1303,606 1316,593 IC10.2@1365.7,593 ; IC8.14@1248.07,695 1194,695 1178,711 v1(1178,748) ; IC8.15@1248.07,745 1245.07,748 v1(1178,748)
  BottomLayer w5: v1(1178,748) 1178,677.53 1204.34,651.18 1204.34,646.66 v1(1245,606) ; v2(1181.1,1171.26) 1181.1,1229.1 1202,1250 v1(1202,1346)
NetIC8_17: IC8.17 IC8.18 IC10.3 IC11.14 | length 1290.7
  TopLayer w5: v1(1219,1397) 1220,1396 IC11.14@1319.7,1396 ; IC8.17@1248.07,845 1194,845 1172,867 1181.1,876.1 v1(1181.1,895.67) 1247.4,895.67 IC8.18@1248.07,895 ; v1(1255,581) 1283,581 1321,543 IC10.3@1365.7,543
  BottomLayer w5: v1(1219,1397) 1219.34,1396.66 1219.34,1050.67 1186.33,1017.66 1186.13,1017.66 1173.66,1005.18 1173.66,927 1169.66,923 1169.66,780.87 1195.34,755.18 1195.34,747.66 1262.34,680.66 1262.34,598.82 1255,591.47 v1(1255,581)
NetIC8_19: IC8.19 IC8.20 IC10.4 IC11.13 | length 1335.7
  TopLayer w5: v1(1240,1447) 1241,1446 IC11.13@1319.7,1446 ; IC8.19@1248.07,945 1198,945 1191,952 v1(1191,998) 1194,995 IC8.20@1248.07,995 ; v1(1299,494) 1364.7,494 IC10.4@1365.7,493
  BottomLayer w5: v1(1240,1447) 1240,1047 v1(1191,998) 1191,910.29 1198.44,902.85 1198.44,888.48 1191,881.04 1191,815.53 1210,796.53 1210,747.14 1272.34,684.8 1272.34,520.66 v1(1299,494)
NetIC8_22: IC8.22 IC8.23 IC10.5 IC11.12 | length 1337.6
  TopLayer w5: IC8.22@1248.07,1095 1306,1095 1306,1141 v1(1303,1144) IC8.23@1249.07,1144 ; v1(1274,1498) 1276,1496 IC11.12@1319.7,1496 ; v1(1323,454) 1337,454 1348,443 IC10.5@1365.7,443
  BottomLayer w5: v1(1274,1498) 1274,1173 v1(1303,1144) 1303,1081 1287.66,1065.66 1287.66,1038.82 1289.37,1037.1 1289.37,714.7 1324.94,679.13 1324.94,651.58 1325.34,651.18 1325.34,636.82 1323,634.47 1323,508.67 1326.34,505.33 1326.34,457.34 v1(1323,454)